# KiCad board LAUNCHXL-F280049C-KICAD.kicad_pcb (continued)
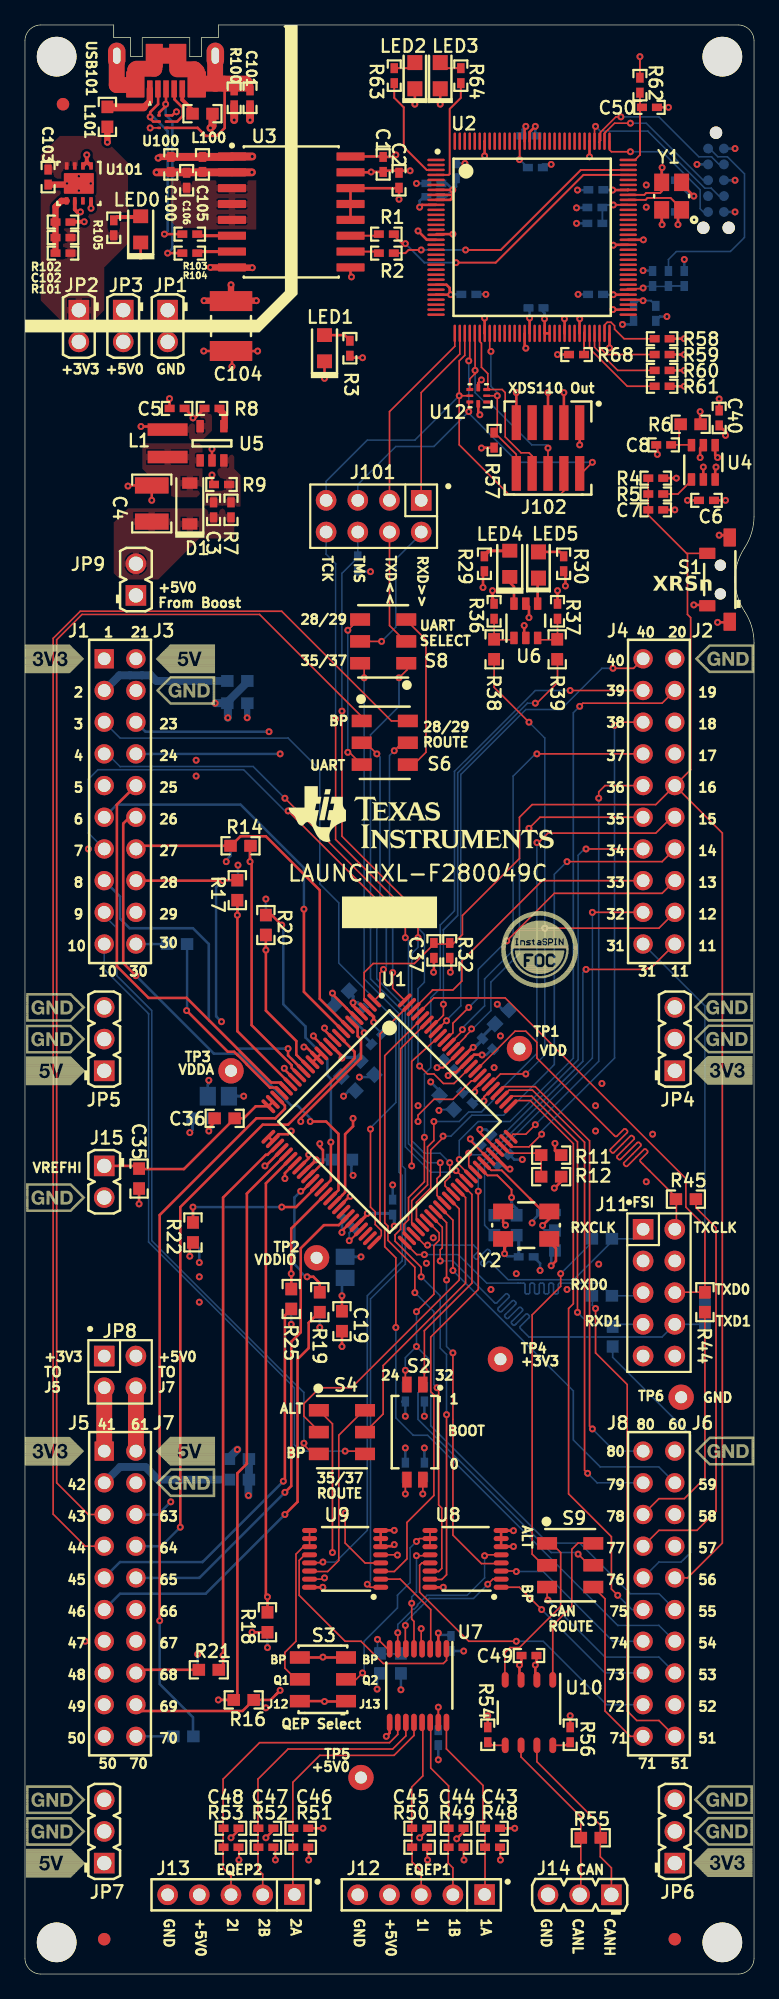
[diagram p0: board, top side]
## Routing (per net, layer and track width the routed paths; a pad name or vN(x,y) marks a point on that pad's centre or on a via; arc(x,y) is an arc through that point) (continued)
GPIO13: length 60.7
  Top Signal w0.127: v1(27.69,67.72) 27.69,61.47 28.07,61.09 28.07,60.07 28.55,59.59 28.55,59.18 U1.50
  Bottom Signal w0.127: v1(27.69,67.72) 27.69,67.82 29.72,69.85 29.72,76.45 25.15,81.03 25.15,85.85 23.62,87.38 23.62,96.52 21.08,99.06 7.62,99.06 J1.3
GPIO14: length 48.2
  Top Signal w0.127: U1.96 28.83,73.6 28.83,60.2 29.08,59.94 29.08,58.8 31.24,56.64 v1(31.24,54.61) ; v1(33.02,46.99) 33.15,46.86 33.15,37.59 33.4,37.34 33.4,32.51 33.15,32.26 32.51,32.26
  Bottom Signal w0.127: v1(31.24,54.61) 32.77,53.09 32.77,47.24 v1(33.02,46.99)
GPIO14_BP: length 24.7
  Top Signal w0.127: v1(39.37,26.67) 35.56,26.67 31.62,30.61 31.62,32.77 31.81,32.95 U8.13
  Bottom Signal w0.127: J6.32 46.61,21.59 41.53,26.67 v1(39.37,26.67)
GPIO14_Q2A: length 8.8
  Top Signal w0.127: v1(30.99,29.72) 30.99,28.45 31.17,28.27 U7.5 ; v1(31.37,33.53) 32.51,33.53
  Bottom Signal w0.127: v1(31.37,33.53) 31.37,30.61 30.99,30.23 v1(30.99,29.72)
GPIO15: length 48.4
  Top Signal w0.127: v1(31.75,55.88) 31.75,56.64 29.66,58.73 29.66,59.18 ; U1.95 30.1,74.16 30.1,59.69 29.66,59.25 29.66,59.18 ; v1(33.78,44.83) 33.78,32 33.4,31.62 32.51,31.62
  Bottom Signal w0.127: v1(31.75,55.88) 33.27,54.36 33.27,50.16 33.78,49.66 v1(33.78,44.83)
GPIO15_BP: length 14.2
  Top Signal w0.127: U8.1 39.61,31 v1(41.4,29.21)
  Bottom Signal w0.127: v1(41.4,29.21) 46.48,24.13 J6.33
GPIO15_Q2B: length 11.1
  Top Signal w0.127: 30.48,26.16 v1(30.48,27.94) ; v1(37.08,31.24) 37.49,31.65 U8.2
  Bottom Signal w0.127: v1(30.48,27.94) 30.48,28.19 31.28,28.99 31.29,28.99 31.71,29.42 31.71,29.43 32.38,30.1 35.94,30.1 v1(37.08,31.24)
GPIO16: length 48.8
  Top Signal w0.127: v1(32.77,68.33) 32.77,66.8 32.26,66.29 32.26,63.25 30.99,61.98 30.99,60.2 31.49,59.7 U1.54 31.5,59.68 ; v1(41.02,90.68) 41.1,90.68 41.12,90.65 41.91,91.44 50.55,91.44 51.82,92.71
  Bottom Signal w0.127: v1(32.77,68.33) 34.8,68.33 35.56,69.09 36.58,69.09 37.59,70.1 37.59,70.36 41.02,73.79 v1(41.02,90.68)
GPIO17: length 45.3
  Top Signal w0.127: J2.14 51.05,89.15 v1(43.43,89.15) ; v1(33.5,67.16) 33.5,67.08 33.53,67.06 32.51,66.04 32.51,62.99 31.37,61.85 31.37,60.51 U1.55
  Bottom Signal w0.127: v1(43.43,89.15) 42.42,88.14 42.42,72.9 38.35,68.83 35.81,68.83 34.14,67.16 v1(33.5,67.16)
GPIO18_BP: length 33.8
  Top Signal w0.127: v1(45.47,85.09) J2.32
  Bottom Signal w0.127: R28.1 36.83,60.01 36.83,64.77 45.47,73.41 v1(45.47,85.09)
GPIO18_X2: length 9
  Top Signal w0.152: U1.68 37.06,64.01 37.85,64.01 38.99,62.86 v1(38.99,62.23)
  Bottom Signal w0.254: v1(38.99,62.23) 38.99,61.72 39.4,61.31 R31.2 39.37,60.82 R28.2 39.36,60.82 39.37,60.83
GPIO22: length 87.1
  Top Signal w0.127: v1(31.5,68.33) 31.5,68.83 32.77,70.1 34.29,70.1 35.78,71.59 36.01,71.59 U1.83
  Middle Signal w0.127: v1(31.5,68.33) 31.5,56.39 26.16,51.05 26.16,30.35 23.24,27.43 23.24,23.37 16.51,16.64 5.72,16.64 4.32,18.03 4.32,24.89 6.1,26.67 J5.7
GPIO23: length 49.9
  Top Signal w0.127: U1.81 37.28,71.31 38.1,72.14 v1(40.13,72.14) ; v1(40.39,100.33) 37.59,103.12 R38.1 37.59,105.41 ; v1(41.66,83.82) 50.8,83.82 J2.12
  Bottom Signal w0.127: v1(40.13,72.14) 41.66,73.66 v1(41.66,83.82) 41.66,99.06 v1(40.39,100.33)
GPIO24: length 48.5
  Top Signal w0.127: U1.56 33.19,59.4 33.19,58.81 32.77,58.39 32.77,54.48 v1(31.37,53.09) ; 30.48,47.24 v1(30.48,48.39)
  Bottom Signal w0.127: v1(31.37,50.29) v1(31.37,53.09) ; v1(31.37,50.29) 32.51,49.15 32.51,43.94 41.91,34.54 44.45,34.54 48.51,30.48 50.8,30.48 J6.15 ; v1(31.37,50.29) 30.48,49.4 v1(30.48,48.39) R33.1
GPIO25_BP: length 30.8
  Bottom Signal w0.127: R72.2 54.48,77.6 J2.31
GPIO25_FSITXD1: length 38.5
  Top Signal w0.127: v1(33.27,57.15) 33.27,58.04 33.44,58.2 33.44,59.85 U1.57
  Bottom Signal w0.127: R72.1 54.39,52.07 J11.8 51.05,51.05 40.39,51.05 39.69,51.75 arc(39.66,51.83) 39.69,51.91 40.39,52.61 arc(40.43,52.69) 40.39,52.77 40.29,52.88 arc(40.21,52.91) 40.12,52.88 39.27,52.02 arc(39.19,51.99) 39.11,52.02 39,52.13 arc(38.96,52.21) 39,52.29 39.86,53.15 arc(39.89,53.23) 39.86,53.31 39.75,53.42 arc(39.67,53.45) 39.59,53.42 38.73,52.56 arc(38.65,52.53) 38.57,52.56 38.46,52.67 arc(38.43,52.75) 38.46,52.83 39.32,53.69 arc(39.35,53.77) 39.32,53.85 39.21,53.96 arc(39.13,53.99) 39.05,53.96 38.19,53.1 arc(38.11,53.07) 38.03,53.1 37.92,53.21 arc(37.89,53.29) 37.92,53.37 38.78,54.23 arc(38.81,54.31) 38.78,54.39 38.67,54.5 arc(38.59,54.53) 38.51,54.5 37.81,53.79 arc(37.73,53.76) 37.65,53.79 37.59,53.85 34.29,57.15 v1(33.27,57.15)
GPIO26: length 31.4
  Top Signal w0.127: v1(34.29,49.78) 34.29,35.18 36.58,32.89 38.23,32.89 ; U1.58 33.78,60.22 v1(33.78,55.63)
  Bottom Signal w0.127: v1(34.29,49.78) 33.78,50.29 v1(33.78,55.63)
GPIO26_BP: length 13.7
  Top Signal w0.127: v1(39.37,32.26) 39.33,32.3 U8.3
  Bottom Signal w0.127: J6.34 47.12,26.67 41.53,32.26 v1(39.37,32.26)
GPIO26_Q2I: length 13.6
  Top Signal w0.127: 29.97,26.16 29.87,26.26 v1(29.87,27.36) ; U8.5 36.9,33.6 v1(36.83,33.53)
  Bottom Signal w0.127: v1(36.83,33.53) 36.83,31.75 35.43,30.35 32.21,30.35 31.46,29.6 31.46,29.52 31.18,29.25 31.1,29.25 29.87,28.02 v1(29.87,27.36)
GPIO27: length 32.8
  Top Signal w0.127: U1.59 34.29,60.42 v1(34.29,56.39)
  Bottom Signal w0.127: 52.2,39.24 J6.19 50.8,40.64 46.1,40.64 43.94,42.8 43.94,46.74 v1(34.29,56.39)
GPIO28: length 22.1
  Top Signal w0.127: 27.94,77.98 28.45,78.49 28.45,80.24 v1(28.73,80.52) ; v1(28.19,97.79) 27.31,98.68 27.05,98.68
  Bottom Signal w0.127: v1(28.73,80.52) 28.96,80.75 28.96,85.34 28.45,85.85 28.45,97.54 v1(28.19,97.79)
GPIO28_BP: length 101.5
  Top Signal w0.127: S6.1 26.98,100.78 18.8,108.97 4.57,108.97 2.54,106.93 2.54,39.37 5.08,36.83 J5.3
GPIO28_SCIRX: length 12.9
  Top Signal w0.127: v1(25.87,107.7) 25.87,107.7 26.64,108.46 26.92,108.46 ; S6.3 25.86,98.04 25.86,97.92 v1(25.87,97.91)
  Bottom Signal w0.127: v1(25.87,107.7) 25.91,107.66 25.91,107.57 25.87,107.53 v1(25.87,97.91)
GPIO29: length 22
  Top Signal w0.127: 30.48,77.98 29.46,78.99 v1(29.46,80.26) ; 30.61,98.68 30.23,98.68 v1(29.59,98.04)
  Bottom Signal w0.127: v1(29.59,98.04) 29.21,97.66 29.21,85.6 29.46,85.34 v1(29.46,80.26)
GPIO29_BP: length 108.3
  Top Signal w0.127: S6.4 29.36,100.43 20.57,109.22 4.43,109.22 2.26,107.05 2.26,36.86 4.83,34.29 J5.4
GPIO29_SCITX: length 13.2
  Top Signal w0.127: S6.6 31.14,96.93 32.13,97.92 32.13,106.93 30.48,108.58
GPIO30: length 23.7
  Top Signal w0.127: 32.68,78.87 U1.98 31.14,77.36 ; 32.68,78.87 34.29,78.87 35.01,79.59 35.01,81.2 41.44,87.63 J2.33 ; 32.68,78.87 32.64,78.87
GPIO31: length 64.4
  Top Signal w0.127: v1(29.72,51.82) 29.72,57.4 28.83,58.29 28.83,59.7 28.45,60.09 28.45,75.34 U1.99
  Bottom Signal w0.127: v1(29.72,51.82) 29.72,44.58 31.12,43.18 32.26,43.18 47.5,27.94 50.8,27.94 J6.14
GPIO32: length 40.6
  Top Signal w0.127: v1(44.32,33.66) 45.21,32.77 ; U1.64 35.08,63.22 35.81,62.48 35.81,55.37 32,51.56 v1(32,48.39) 32,47.24
  Bottom Signal w0.127: v1(44.32,33.66) 44.2,33.78 42.16,33.78 31.5,44.45 31.5,46.57 R34.1 v1(32,48.39)
GPIO32_BP: length 14.2
  Top Signal w0.127: S9.6 46.48,30.07 46.48,21.08 48.51,19.05 J6.31
GPIO32_CANTX: length 13
  Top Signal w0.127: 45.47,34.54 44.32,34.54 43.81,34.04 43.81,29.46 42.29,27.94 U10.1 42.29,23.5
GPIO33_ALT: length 28.8
  Top Signal w0.127: S9.2 41.53,32.77 40.64,33.66 40.64,52.83 42.93,55.12 v1(42.93,56.13)
  Bottom Signal w0.127: 45.47,58.93 45.47,58.67 v1(42.93,56.13)
GPIO33_BP: length 13.7
  Top Signal w0.127: v1(41.91,29.97) 41.84,30.04 S9.3
  Bottom Signal w0.127: J6.13 50.8,25.4 46.48,25.4 v1(41.91,29.97)
GPIO33_CANRX: length 13.9
  Top Signal w0.127: 38.46,23.55 38.46,25.76 38.86,26.16 39.62,26.16 42.93,29.46 42.93,33.78 42.16,34.54 41.91,34.54
GPIO33_FSIRXCLK: length 27.1
  Top Signal w0.127: v1(32.26,58.42) 32.04,58.42 U1.53
  Bottom Signal w0.127: 35.81,58.42 35.94,58.42 ; 35.94,58.42 v1(32.26,58.42) 34.28,58.42 ; 35.94,58.42 36.3,58.06 arc(36.34,57.98) 36.3,57.9 35.99,57.59 arc(35.96,57.5) 35.99,57.42 36.1,57.32 arc(36.18,57.28) 36.26,57.32 37,58.05 arc(37.08,58.08) 37.16,58.05 37.27,57.94 arc(37.3,57.86) 37.27,57.78 36.53,57.05 arc(36.5,56.97) 36.53,56.88 36.64,56.78 arc(36.72,56.74) 36.8,56.78 37.11,57.09 arc(37.19,57.12) 37.27,57.09 37.33,57.03 38.71,55.65 43.96,55.65 46.99,58.67 ; R46.1 48.77,58.93 J11.1
GPIO34: length 101.1
  Top Signal w0.127: 42.93,105.41 42.67,105.16 42.67,103.5 41.02,101.85 v1(40.89,101.85) ; v1(33.53,77.72) 33.53,76.83 32.6,75.91 U1.94
  Middle Signal w0.127: J6.12 50.8,22.86 46.86,22.86 40.13,29.59 40.13,64.71 40.36,64.94 40.36,67.34 32.89,74.8 32.89,76.45 33.53,77.09 v1(33.53,77.72)
  Bottom Signal w0.127: v1(33.53,77.72) 33.53,83.69 34.67,84.84 34.67,96.27 40.26,101.85 v1(40.89,101.85)
GPIO35: length 23
  Top Signal w0.127: S4.5 28.7,44.89 28.7,48.77 35.31,55.37 35.31,62.23 34.67,62.86
GPIO35_ALT: length 15.6
  Top Signal w0.127: S4.4 27.15,45.18 25.15,43.18 25.15,33.15 24.26,32.26 22.86,32.26
GPIO35_BP: length 52.6
  Top Signal w0.127: 27.43,41.66 27.18,41.91 v1(25.65,41.91)
  Bottom Signal w0.127: v1(25.65,41.91) 22.1,41.91 21.59,42.42 21.59,46.99 9.91,58.67 9.91,76.96 6.35,80.52 J1.10
GPIO35_Q1A: length 18.7
  Top Signal w0.127: 22.73,33.66 22.48,33.66 21.97,33.15 21.97,30.35 25.65,26.67 26.92,26.67 28.7,24.89 33.53,24.89 33.78,25.15 33.78,25.91
GPIO35_SCIRX: length 77.8
  Top Signal w0.127: 22.81,32.97 23.83,32.97 v1(23.88,33.02) ; 22.75,32.89 U9.13 ; 26.8,105.03 27.18,104.65 v1(27.18,103.89)
  Bottom Signal w0.127: v1(23.88,33.02) 24.89,33.02 27.43,35.56 27.43,54.36 30.23,57.15 30.23,64.01 29.97,64.26 29.97,76.96 27.18,79.76 v1(27.18,103.89)
GPIO37: length 26.2
  Top Signal w0.127: 23.62,43.43 22.35,44.7 22.35,45.72 23.62,46.99 26.16,46.99 34.8,55.63 34.8,61.32 U1.61
GPIO37_ALT: length 15.5
  Top Signal w0.127: S4.1 24.64,44.1 v1(24.64,33.78) ; U9.15 23.9,31.65 v1(24,31.75)
  Middle Signal w0.127: v1(24.64,33.78) 24.64,32.26 24.13,31.75 v1(24,31.75)
GPIO37_BP: length 50.9
  Top Signal w0.127: 23.62,41.66 23.11,41.66 22.35,42.42 v1(22.35,42.54)
  Bottom Signal w0.127: v1(22.35,42.54) 22.35,46.61 21.87,47.1 21.84,47.1 10.16,58.78 10.16,77.22 7.37,80.01 7.37,83.82 6.35,84.84 J1.9
GPIO37_Q1B: length 8.1
  Top Signal w0.127: 32.51,26.16 32.51,29.21 30.07,31.65 U9.2
GPIO37_SCITX: length 78.7
  Top Signal w0.127: U9.1 27.67,31 v1(27.43,31.24) ; 30.61,105.16 30.61,104.52 v1(29.97,103.89)
  Bottom Signal w0.127: v1(29.97,103.89) 29.97,101.6 27.69,99.31 27.69,79.76 30.23,77.22 30.23,64.77 30.48,64.52 30.48,56.9 27.69,54.1 27.69,31.5 v1(27.43,31.24)
GPIO39: length 25.5
  Top Signal w0.127: U1.91 33.7,74.85 34.29,75.44 34.29,76.2 v1(35.56,77.47) ; v1(38.61,82.8) 42.42,86.61 51.05,86.61 J2.13
  Bottom Signal w0.127: v1(38.61,82.8) 36.32,80.52 36.32,78.23 v1(35.56,77.47)
GPIO40: length 47.8
  Top Signal w0.127: v1(20.83,94.23) v1(29.97,85.09) ; 31.62,72.88 v1(31.62,72.77) 32.26,72.14 32.77,72.14 33.53,71.37 34.38,71.37 U1.85
  Bottom Signal w0.127: v1(31.62,72.77) 31.5,72.9 31.5,78.97 32,79.48 32,83.31 30.23,85.09 v1(29.97,85.09) ; J1.4 6.6,97.79 7.62,96.77 18.29,96.77 v1(20.83,94.23)
GPIO56: length 60.8
  Top Signal w0.127: v1(28.19,85.09) 28.19,86.11 v1(21.08,93.22) ; U1.65 34.69,64.26 34.69,64.37 34.65,64.37 34.65,64.36 34.62,64.39 v1(34.54,64.39)
  Bottom Signal w0.127: v1(34.54,64.39) 34.42,64.26 32.51,64.26 30.48,66.29 30.48,77.47 28.19,79.76 v1(28.19,85.09) ; J1.7 5.08,91.44 5.08,95.76 5.84,96.52 17.53,96.52 20.83,93.22 v1(21.08,93.22)
GPIO57: length 51.7
  Top Signal w0.127: J2.19 51.05,101.85 44.7,101.85 v1(44.45,101.6) ; v1(34.8,65.28) 34.8,64.86 U1.66
  Bottom Signal w0.127: v1(34.8,65.28) 34.8,66.8 36.32,68.33 38.86,68.33 43.94,73.41 43.94,101.09 v1(44.45,101.6)
GPIO58: length 35.5
  Top Signal w0.127: v1(35.56,65.79) 35.56,64.8 U1.67 ; v1(44.96,90.17) J2.34
  Bottom Signal w0.127: v1(44.96,90.17) 44.83,90.17 44.32,89.66 44.32,73.28 36.7,65.66 35.69,65.66 v1(35.56,65.79)
GPIO59: length 48.3
  Top Signal w0.127: v1(25.65,36.94) 25.65,34.54 27.25,32.94 28.55,32.94 ; v1(30.99,64.77) 30.99,73.15 U1.92
  Middle Signal w0.127: v1(25.65,36.94) 25.52,37.08 24.64,37.85 24.64,50.55 30.99,56.9 v1(30.99,64.77)
GPIO59_BP: length 63.9
  Top Signal w0.127: v1(44.96,80.52) 49.78,80.52 49.91,80.64 50.04,80.52 J2.11 ; 28.57,32.26 29.59,32.26 30.61,33.27 30.61,36.19 32.77,38.35 32.77,46.42 32.51,46.68 32.51,51.05 36.32,54.86 v1(36.32,62.74)
  Bottom Signal w0.127: v1(44.96,80.52) 44.7,80.26 44.7,73.15 36.32,64.77 v1(36.32,62.74)
GPIO59_Q1I: length 10.3
  Top Signal w0.127: 31.75,26.16 v1(31.75,27.69) ; U9.5 29.9,33.6 29.97,33.53 ; 31.82,25.47 U7.4
  Middle Signal w0.127: v1(31.75,27.69) 31.75,30.23 29.84,32.13 29.84,33.4 29.97,33.53
  vias: v1(29.84,33.58)
ITCK: length 14
  Top Signal w0.127: v1(45.72,148.08) 45.64,148 U2.100
  Bottom Signal w0.127: 56.13,142.49 J10.4 55.63,142.49 55,143.12 54.99,143.13 54.48,143.13 49.91,147.7 46.1,147.7 v1(45.72,148.08)
ITDI: length 11.3
  Top Signal w0.127: v1(48.51,148.34) 47.24,148.34 46.72,147.81 46.71,147.81 46.52,147.62 46.52,147.62 46.44,147.53 U2.98
  Bottom Signal w0.127: 54.86,143.76 J10.8 54.36,143.76 49.78,148.34 v1(48.51,148.34)
ITDO: length 11.7
  Top Signal w0.127: U2.97 46.84,146.2 46.99,146.05 v1(48.51,146.05)
  Bottom Signal w0.127: v1(48.51,146.05) 51.05,146.05 54.1,143 54.1,141.48 54.36,141.22 J10.6 54.86,141.22
ITMS: length 12.8
  Top Signal w0.127: 45.97,146.81 46.12,146.96 46.12,147.62 46.31,147.81 46.31,147.81 47.35,148.84 v1(47.75,148.84)
  Bottom Signal w0.127: J10.2 55.63,145.03 55.02,145.64 54,145.64 50.8,148.84 v1(47.75,148.84)
NetC8_1: length 3.4
  Top Signal w0.127: 52.58,124.21 52.42,124.04 52.42,122.59 52.45,122.55 ; 52.45,122.55 53.47,122.55 ; 52.45,122.55 C8.1
NetC26_2: length 21.3
  Top Signal w0.203: 18.03,90.42 v1(18.03,89.15) 18.16,89.03 18.16,76.05 21.37,72.84 21.37,72.63 U1.18
  Bottom Signal w0.203: v1(18.03,89.15) 18.03,90.42
NetC27_2: length 47.9
  Top Signal w0.203: 16.76,21.97 17.02,22.22 17.02,40.13 17.78,40.89 17.78,62.55 U1.30 ; v1(15.49,21.97) 16.69,21.97 ; R16.1 16.73,22.01
  Bottom Signal w0.203: 16.76,21.97 R16.1 v1(15.49,21.97)
NetC28_2: length 17.8
  Top Signal w0.203: U1.20 17.02,75.57 v1(17.02,84.86) R17.1 17.02,86.11
  Bottom Signal w0.203: 17.02,86.11 R17.1 v1(17.02,84.86)
NetC29_2: length 38.5
  Top Signal w0.203: U1.31 19.3,63.37 19.3,30.35 v1(19.43,30.23) R18.1 19.43,28.96
  Bottom Signal w0.203: R18.1 v1(19.43,30.23)
NetC30_2: length 13.2
  Top Signal w0.203: U1.16 21.74,73.67 21.74,74.78 19.3,77.22 v1(19.3,82.07) R20.1 19.3,83.31
  Bottom Signal w0.203: v1(19.3,82.07) R20.1
NetC31_2: length 45.4
  Top Signal w0.203: 15.49,24.38 15.88,24.76 v1(15.88,25.53) 15.88,62.23 19.3,65.66 19.43,65.66 20.17,66.4 U1.28
  Bottom Signal w0.203: v1(15.88,25.53) 15.88,24.8 15.49,24.42 R21.1
NetC32_1: length 12.8
  Top Signal w0.203: U1.36 22.21,62.74 v1(22.1,62.74) ; 23.62,54.61 R19.2 23.62,55.37 23.11,55.88 v1(22.61,55.88)
  Bottom Signal w0.203: v1(22.1,62.74) 21.59,62.23 21.59,56.9 22.1,56.39 22.1,56.26 22.48,55.88 v1(22.61,55.88) 23.11,55.88 23.62,55.37 R19.2
NetC33_1: length 13.5
  Top Signal w0.203: 13.72,60.2 13.72,60.24 13.46,60.49 v1(13.46,61.47) ; 23.5,63.25 21.72,61.47 v1(20.57,61.47)
  Bottom Signal w0.203: v1(20.57,61.47) v1(13.46,61.47) 13.46,60.49 13.72,60.24
NetC34_1: length 10
  Top Signal w0.203: U1.39 21.34,59.74 v1(21.34,56.13) R25.2 21.34,54.86
  Bottom Signal w0.203: R25.2 v1(21.34,56.13)
NetC35_1: length 15.8
  Top Signal w0.203: J15.1 8.89,64.77 9.14,64.52 12.74,64.52 C36.1 17.53,68.58 18.49,69.55 U1.25 ; 19.56,69.6 19.86,69.9 U1.24
NetC38_1: length 4.3
  Top Signal w0.254: Y2.1 38.7,58.54 38.43,58.27 v1(38.43,57.73)
  Bottom Signal w0.203: 39.62,57.53 38.63,57.53 v1(38.43,57.73)
  Bottom Signal w0.254: 39.56,57.73 39.56,59.06 R31.1
NetC50_1: length 27.7
  Top Signal w0.127: 49.28,145.8 49.28,149.61 ; 49.28,145.8 49.28,149.61 ; 49.28,145.8 49.28,149.61 ; 49.28,145.8 49.28,149.61 ; 49.28,145.8 48.88,145.4 ; 49.28,149.61 R62.2 ; 49.28,149.61 R62.2 ; 49.28,149.61 49.28,148.62 ; 49.28,149.61 49.28,148.62 ; 49.28,149.61 R62.2 ; 49.28,149.61 R62.2 ; 48.26,145.4 48.88,145.4 ; 48.26,145.4 48.88,145.4 ; 48.26,145.4 48.88,145.4 ; 48.26,145.4 48.88,145.4 ; 48.26,145.4 48.88,145.4 ; R62.2 49.28,148.62
NetC59_1: length 6
  Top Signal w0.152: v1(39.62,145.41) 39.64,145.43 U2.115 ; U2.87 47.3,141.79 47.29,141.78 v1(47.14,141.78)
  Bottom Signal w0.152: v1(47.14,141.78) 46.46,141.78 46.25,141.58 ; 46.27,140.15 C60.1 46.27,141.54 46.3,141.58 ; C61.1 39.66,145.41 v1(39.62,145.41)
NetC62_1: length 5.8
  Top Signal w0.152: U2.89 49.63,142.59 49.78,142.75 50.9,142.75 51.03,142.88 51,142.9 51,143.59
  Top Signal w0.203: Y1.3 51.02,144.74 v1(51.05,144.78)
  Bottom Signal w0.203: v1(51.05,144.78) 51.05,143.86 C62.1
NetC63_1: length 7.2
  Top Signal w0.152: 52.65,141.38 52.65,141.43 51.73,142.35 49.89,142.35 49.73,142.19 U2.88
  Top Signal w0.203: v1(52.32,140.21) 52.32,141.1 Y1.1
  Bottom Signal w0.203: v1(52.32,140.21) 52.32,140.79 52.16,140.95 C63.1
NetC66_1: length 3.5
  Top Signal w0.152: v1(49.53,134.11) 49.45,134.19 U2.68
  Bottom Signal w0.152: C66.1 50.55,133.73 50.16,134.11 v1(49.53,134.11) 49.15,134.11 48.77,133.73 48.77,133.6
NetC101_1: length 28
  Top Signal w0.203: U100.1 13.84,147.96 14.48,147.32 15.37,147.32 16,147.95 16,151.51
  Top Signal w1.27: 15.24,151.51 17.66,151.51 ; 15.24,151.51 13.77,151.51 ; 15.24,151.51 15.24,153.73 ; 12.24,152.7 USB101.8 USB101.9 10.37,152.7 8.94,152.7 ; USB101.6 13.77,151.51 ; 13.77,151.51 13.7,151.51 ; 13.77,151.51 13.77,152.48 13.59,152.65 12.19,152.65 ; 8.89,152.65 8.84,152.6 USB101.11 ; 8.79,151.4 7.35,151.4 USB101.10
NetC102_2: length 4.8
  Top Signal w0.508: 2.44,139.14 2.45,139.13 R101.1 ; 2.45,139.14 C102.2 R102.2 2.45,141.64 2.92,142.11 U101.5
NetJ5_1: length 5.1
  Top Signal w1.27: J5.1 JP8.3
NetJ5_21: length 5.1
  Top Signal w1.27: J5.21 JP8.4
NetJ10_10: length 16.5
  Bottom Signal w0.127: R66.1 51.56,137.41 52.2,138.05 56.51,138.05 57.66,139.19 57.66,144.27 56.29,145.64 55.52,145.64 54.86,146.3
NetJ14_1: length 14.5
  Top Signal w0.127: J14.1 46.99,8.51 46.1,9.4 46.1,11.94 41.02,17.02 U10.7
NetJ14_2: length 14
  Top Signal w0.127: J14.2 44.54,6.44 R55.1 44.54,12.61 39.75,17.4 U10.6
NetL100_1: length 2.3
  Top Signal w0.305: USB101.5 12.6,150.21 13.42,149.39 L100.1
NetL101_1: length 4.6
  Top Signal w0.508: USB101.1 10,150.09 9.51,149.61
  Top Signal w0.635: 6.64,149.61 9.51,149.61
NetLED0_2: length 4.3
  Top Signal w0.203: 7.28,140.75 9.18,140.75 ; 7.28,140.75 7.11,140.59 ; 7.28,140.75 7.4,140.88 LED0.2 ; 9.27,140.72 9.27,140.84
NetLED1_2: length 2.2
  Top Signal w0.203: 26.03,130.94 25.62,131.35 LED1.2
NetLED2_1: length 1.8
  Top Signal w0.152: R63.1 30.83,152.75 31.24,153.16
NetLED3_1: length 1.8
  Top Signal w0.152: 33.27,153.16 33.69,152.75 R64.1
NetLED4_1: length 2.4
  Top Signal w0.127: 39.12,109.73 39.12,109.83
  Top Signal w0.203: U6.6 39.18,111.19 38.86,111.51 38.86,112.01
NetLED4_2: length 4.4
  Top Signal w0.203: LED4.2 37.11,114.08 36.83,113.79 ; 38.86,114.05 37.23,114.05 R29.1
NetLED5_1: length 2.2
  Top Signal w0.203: LED5.1 42.87,113.98 43.18,113.66
NetLED5_2: length 2.1
  Top Signal w0.203: 41.15,111.89 41.08,111.82 U6.4
NetR1_1: length 3.1
  Top Signal w0.152: U3.11 28.32,139.32 ; 28.32,139.32 28.45,139.45 ; 28.32,139.32 28.45,139.45 ; 28.32,139.32 28.45,139.45 ; 28.32,139.32 28.45,139.45 ; 28.32,139.32 28.45,139.45
NetR2_1: length 3.1
  Top Signal w0.152: 28.32,138.05 28.45,137.92 ; 28.32,138.05 U3.10 ; 28.32,138.05 28.45,137.92 ; 28.32,138.05 28.45,137.92 ; 28.32,138.05 28.45,137.92 ; 28.32,138.05 28.45,137.92
NetR5_1: length 2.9
  Top Signal w0.127: 51.05,118.62 R5.1 52.32,118.62 53.41,119.7 U4.1
NetR8_1: length 1.7
  Top Signal w0.508: 16,123.95 16,124.97 15.59,125.38 R8.1
NetR13_2: length 57.8
  Top Signal w0.203: 20.07,70.36 20.83,69.6 20.83,69.34 20.07,68.58 18.54,68.58 10.79,60.83 v1(10.79,28.32)
  Bottom Signal w0.203: 13.46,19.05 13.46,20.57 10.79,23.24 v1(10.79,28.32)
NetR15_2: length 15.6
  Top Signal w0.203: 20.48,70.71 20.45,70.71 20.12,71.04 19.68,71.04 19.66,71.06 19.64,71.06 19.63,71.05 17.78,72.9 17.78,72.92 17.04,73.66 17.02,73.66 16.76,73.91 16.26,73.91 v1(12.95,77.22)
  Bottom Signal w0.203: v1(12.95,77.22) 12.99,77.25 R15.2
NetR23_1: length 7
  Top Signal w0.203: v1(22.35,74.3) 22.53,74.3 U1.14 ; U1.15 23.04,73.08 23.75,73.79
  Bottom Signal w0.203: R26.2 16.22,101.94 ; 16.17,101.81 16.26,101.73
  Bottom Signal w0.635: 16.22,101.94 17.91,103.63 ; v1(16.26,100.69) 16.26,101.73 ; v1(15.24,101.85) R26.2
NetR24_1: length 4.5
  Top Signal w0.203: v1(20.83,63.75) 20.83,64.19 U1.32
  Bottom Signal w0.254: 17.91,39.62 17.94,39.66
  Bottom Signal w0.635: 17.94,39.66 R27.2 ; v1(17.91,38.35) 17.91,39.62
NetR36_1: length 3.2
  Top Signal w0.127: 39.12,106.93 37.59,106.93 R38.2 R36.1
NetR37_1: length 3.5
  Top Signal w0.127: 42.67,106.93 R37.1 ; 41.15,106.93 42.93,106.93
NetR40_2: length 2.7
  Top Signal w0.127: 30.48,39.62 30.73,39.37 30.48,39.12 v1(30.48,38.48)
  Bottom Signal w0.127: v1(30.48,38.48) R40.2
NetR41_2: length 2.4
  Top Signal w0.127: v1(31.88,38.48) 31.88,39.5 32,39.62
  Bottom Signal w0.127: v1(31.88,38.48) 31.88,39.5 32,39.62
NetR42_2: length 3.1
  Top Signal w0.127: 29.21,25.91 28.3,26.82 v1(28.24,26.82)
  Bottom Signal w0.127: 28.7,25.65 29.72,25.65 ; 28.24,26.11 v1(28.24,26.82)
NetR54_1: length 3.5
  Top Signal w0.127: 37.08,18.67 37.42,18.33 ; 37.08,18.67 37.42,18.33 ; 37.08,18.67 37.42,18.33 ; 37.08,18.67 37.42,18.33 ; 37.08,18.67 37.42,18.33 ; 37.42,18.33 U10.5
NetR56_2: length 3.5
  Top Signal w0.127: 43.35,18.33 43.69,18.67 ; 43.35,18.33 43.69,18.67 ; 43.35,18.33 43.69,18.67 ; 43.35,18.33 43.69,18.67 ; 43.35,18.33 U10.8 ; 43.35,18.33 43.69,18.67
NetR63_2: length 8.7
  Top Signal w0.152: 29.72,151.38 29.59,151.26 29.59,150.37 30.35,149.61 30.35,146.43 32.19,144.59 U2.3
NetR64_2: length 8.9
  Top Signal w0.152: U2.4 33.96,144.19 34.04,144.27 34.04,149.48 34.93,150.37 34.93,151.51 34.8,151.64
NetR65_1: length 4.5
  Top Signal w0.127: 48.26,135.08 49.48,135.08 v1(49.53,135.13)
  Bottom Signal w0.127: v1(49.53,135.13) 49.66,135.25 50.29,135.25 ; 51.56,135.25 50.42,135.25 50.37,135.21
  Bottom Signal w0.152: 51.65,135.29 R67.2
NetR68_2: length 1.8
  Top Signal w0.152: R68.2 44.8,131.54
NetR103_2: length 2.7
  Top Signal w0.254: 13.94,139.32 U3.6
NetR104_2: length 2.7
  Top Signal w0.254: 13.94,138.05 U3.7
PGA135_GND: length 10.6
  Bottom Signal w0.635: R23.2 10.54,103.63 10.08,104.09 9.4,104.09 7.57,104.09 J1.2
PGA246_GND: length 11
  Bottom Signal w0.254: R24.2 16.38,39.62
  Bottom Signal w0.635: R24.2 10.67,39.62 9.65,40.64 7.62,40.64 J5.2
QEP1_SEL: length 13.6
  Top Signal w0.127: U9.9 U9.10 U9.11 22.8,34.24 22.31,34.24 21.72,33.66 21.72,26.67 20.83,25.78 20.83,24.51 21.84,23.5
QEP2_SEL: length 16.5
  Top Signal w0.127: v1(27.05,24.13) 26.42,23.5 25.65,23.5 ; v1(31.37,34.67) 31.6,34.9 U8.10 ; 32.51,34.92 32.46,34.87 U8.11 ; 32.46,35 U8.9
  Bottom Signal w0.127: v1(31.37,34.67) 30.86,34.16 30.86,31.37 29.84,30.35 29.84,29.34 27.18,26.67 27.18,24.13 v1(27.05,24.13)
RXD_FROM_XDS: length 11.7
  Top Signal w0.127: S8.5 v1(28.57,106.81)
  Bottom Signal w0.127: v1(28.57,106.81) 29.72,107.95 29.72,113.41 31.75,115.44
TCK: length 58.5
  Top Signal w0.127: U1.60 33.02,62.39 33.02,63.75 33.27,64.01 v1(33.27,65.02) ; v1(30.48,83.06) 30.48,85.34 24.89,90.93 v1(24.89,100.58)
  Bottom Signal w0.127: J101.8 24.13,113.79 24.89,113.03 v1(24.89,100.58) ; v1(30.48,83.06) 30.73,82.8 30.73,66.55 32.26,65.02 v1(33.27,65.02)
TMS: length 58.6
  Top Signal w0.127: v1(34.04,65.02) 34.04,63.88 33.66,63.5 ; U1.62 33.66,63.17 33.66,63.47 ; 25.4,101.09 25.4,91.19 31.5,85.09 v1(31.5,83.06)
  Bottom Signal w0.127: v1(25.4,101.22) 25.4,112.27 26.67,113.54 R10.1 J101.6 ; v1(34.04,65.02) 33.27,65.79 32,65.79 30.99,66.8 30.99,81.79 31.5,82.3 v1(31.5,83.06)
TXD_TO_XDS: length 9.5
  Top Signal w0.127: 30.61,106.68 29.21,108.08 J101.4
USB_DM: length 15.1
  Top Signal w0.203: 10.67,150.88 10.67,149.86 10.03,149.22 v1(10.03,148.84) 10.03,148.72 10.29,148.46 U100.5 ; v1(11.18,139.45) 12.57,139.45 ; 10.65,150.88 USB101.2
  Bottom Signal w0.203: v1(11.18,139.45) 11.43,139.7 11.43,147.7 10.29,148.84 v1(10.03,148.84)
USB_DP: length 16
  Top Signal w0.203: U100.4 10.75,149.18 11.3,149.73 USB101.3 ; v1(11.43,137.92) R104.1 12.7,137.92
  Top Signal w0.305: 11.27,151.05 USB101.3
  Bottom Signal w0.203: v1(11.27,149.86) 11.27,149 11.81,148.46 11.81,138.3 v1(11.43,137.92)
USB_GND: length 26.7
  Top Signal w0.203: v1(9.27,137.67) LED0.1 ; 12.04,149.35 12.04,149.38 ; U100.3 11.8,148.96 12.06,149.22 12.06,149.35
  Top Signal w0.305: U101.6 3.99,141.42 4.19,141.22 v1(4.44,141.22) ; 3.65,140.46 3.67,140.44 v1(4.75,140.44)
  Top Signal w0.508: v1(18.54,134.11) 16.54,134.11 C104.2 ; v1(18.21,136.75) 16.61,136.75 U3.8 v1(14.86,136.78) ; 2.03,143.42 4.23,143.42 ; C104.2 v1(16.51,135.38) ; C104.2 16.48,134.11 v1(14.35,134.11)
  Top Signal w0.635: v1(10.54,144.4) U3.2 v1(18.19,144.4) ; v1(14.86,147.95) 15.02,148.12 L100.2 ; v1(16.76,148.59) R100.1 ; v1(18.03,148.59) C101.2
  vias: v1(12.14,149.25) v2(3.37,143.51) v2(4.32,144.08) v2(4.32,142.94) v2(5.27,143.51)
USB_ID: length 4
  Top Signal w0.203: 11.95,150.99 11.99,150.96 11.99,150.24 12.65,149.58 12.65,148.92 12.19,148.46 U100.2 ; 11.95,150.99 11.94,151 ; 11.95,150.99 USB101.4
USB_VBUS: length 11.7
  Top Signal w0.127: v1(10.03,147.95) 10.16,147.95 10.17,147.96 U100.6
  Top Signal w0.254: L101.2 6.64,148.08
  Top Signal w0.305: 4.95,145.25 U101.1 ; 4.95,145.25 4.95,145.22 U101.2 ; 4.95,145.25 v1(4.95,145.8) ; v1(5.29,141.52) U101.8
  Top Signal w0.508: v1(10.67,145.54) 10.74,145.54 10.83,145.63 C100.1 ; v1(6.6,146.81) L101.2
  Top Signal w0.635: v1(18.21,145.67) U3.1 16.55,145.63 C105.2 C100.1
VREGENZ: length 5.2
  Top Signal w0.127: 41.36,65.57 R11.1 ; 41.36,65.57 41.36,63.94 41.35,63.93 ; 41.36,65.57 41.15,65.79 38.82,65.79 U1.73
X1: length 11.1
  Top Signal w0.152: 40.47,62.15 38.2,64.42 37.36,64.42 U1.69
  Top Signal w0.203: 41.93,61.12 41.5,61.12 40.47,62.15 ; v1(41.48,59.99) 42.01,60.53 Y2.3
  Bottom Signal w0: 41.46,59.94 41.51,59.99
  Bottom Signal w0.203: C39.1 42.49,61.03 41.4,59.94 41.46,59.94 ; v1(41.48,59.99) 41.48,59.79 41.68,59.59 R35.1
XDS_DM: length 22.9
  Top Signal w0.152: 29.46,139.45 29.51,139.4 29.46,139.45 ; 29.46,139.45 30.23,138.68 v1(30.48,138.68) ; v1(34.54,137.16) 37.72,137.16 44.75,144.19 U2.93
  Bottom Signal w0.152: v1(34.54,137.16) 32,137.16 v1(30.48,138.68)
XDS_DP: length 21.6
  Top Signal w0.152: U2.94 44.54,144.59 38.13,138.18 v1(35.31,138.18) ; v1(31.75,138.18) 30.73,138.18 30.48,137.92 R2.2 29.46,137.92
  Bottom Signal w0.152: v1(31.75,138.18) v1(35.31,138.18)
XDS_RESET_OUT: length 13.1
  Top Signal w0.127: 39.37,120.4 39.37,120.65 ; 39.37,120.65 39.37,121.79 37.59,123.57 37.85,123.82 v1(37.85,126.49) U12.2 ; 39.37,120.65 39.34,120.61 ; U2.40 37.24,130.15 v1(37.34,130.05)
  Bottom Signal w0.127: v1(37.34,130.05) 37.34,127.25 37.85,126.75 v1(37.85,126.49)
XDS_RXD: length 15.5
  Top Signal w0.127: J101.3 29.21,125.22 34.44,130.45 U2.33
XDS_TCK_SWDCLK: length 36.7
  Top Signal w0.127: 43.18,120.27 J102.4 43.18,118.87 42.93,118.62 38.73,118.62 34.8,122.55 v1(34.8,126.49) ; v1(34.8,126.49) 34.8,129.29 35.24,129.73 U2.35 ; v1(34.8,126.49) U12.6 35.81,126.49
  Bottom Signal w0.127: J101.7 24.13,119.63 27.43,122.94 31.24,122.94 v1(34.8,126.49)
XDS_TDI: length 14.2
  Top Signal w0.127: 40.64,120.14 J102.8 40.64,121.67 40.39,121.92 39.75,121.92 38.48,123.19 38.48,126.75 38.24,126.99 U12.3 37.08,127.08 37.08,128.27 36.58,128.78 36.58,130.71 36.48,130.81 36.48,131.42
XDS_TDO_SWO: length 16.6
  Top Signal w0.127: 36.07,128.27 35.65,127.85 U12.5 ; 36.07,128.27 36.07,131.57 ; 36.07,128.27 v1(36.07,128.52) ; 41.91,120.27 v1(41.91,122.3)
  Bottom Signal w0.127: v1(36.07,128.52) 36.07,126.75 36.86,125.96 37.21,125.96 40.61,122.55 41.78,122.55 41.91,122.43 v1(41.91,122.3)
XDS_TMS_SWDIO: length 32.8
  Top Signal w0.127: v1(35.56,129.29) 35.64,129.37 U2.36 ; 44.45,120.14 v1(45.47,121.16) ; 35.65,125.98 U12.7 ; v1(35.56,125.22) 35.56,125.98
  Bottom Signal w0.127: v1(35.56,125.22) 35.56,125.09 39.5,121.16 v1(45.47,121.16) ; v1(35.56,125.22) 32.77,122.43 29.72,122.43 26.67,119.38 J101.5 ; v1(35.56,125.22) v1(35.56,129.29)
XDS_TXD: length 14.7
  Top Signal w0.127: U2.34 34.84,129.84 31.75,126.75 J101.1
XRSn: length 131.8
  Top Signal w0.127: J6.16 53.09,31.75 55.88,34.54 55.88,91.44 J2.16 ; C7.1 49.95,116.93 53.02,113.86 S1.4 ; J2.16 50.55,93.73 40.64,93.73 39.62,92.71 39.62,89.41 35.05,84.84 35.05,83.31 34.29,82.55 32.77,82.55 31.2,80.99 27.9,80.99 27.18,80.26 27.18,78.14 U1.2 ; J2.16 53.34,96.52 53.34,108.71 53.09,108.97 53.09,113.79 ; 49.95,118.71 R4.1 ; 49.95,117.51 R5.2

## Copper pours and planes (outline as drawn; the poured copper is in the pictures)
+3V3 on Top Signal: 12.19,125.98 12.19,125.22 11.68,124.71 9.65,124.71 9.65,124.46 9.4,124.21 9.4,122.94 14.22,122.94 14.99,123.7 14.99,125.98
+3V3 on PWR: 58.42,156.21 21.97,156.21 21.97,134.49 18.92,131.45 0,131.44 0,2.79 -0.25,2.54 58.42,2.54
+5V0 on Bottom Signal: 21.97,156.21 21.97,134.49 18.92,131.44 0,131.45 0,0 39.37,0 39.37,21.59 37.85,22.86 12.7,22.86 10.16,25.4 10.16,126.75 11.94,128.52 20.32,128.52 25.4,133.6 25.4,149.86 27.94,152.4 50.8,152.4 52.07,153.67 52.07,156.21
GND on GND: 21.97,156.21 58.42,156.21 58.42,0 0,0 0,131.44 18.92,131.44 21.97,134.49
GND on GND2: 21.97,156.46 21.97,134.49 18.92,131.44 -0.51,131.44 -0.51,0 58.93,0 58.93,156.46
VDD on PWR: 39.5,65.66 39.5,64.52 38.86,63.88 37.72,63.88 32.26,58.42 29.46,58.42 28.23,59.48 28.19,59.51 28.19,60.45 29.72,61.98 29.72,62.74 32,65.02 35.56,65.02 37.34,66.8 37.34,70.36 30.23,77.47 28.96,77.47 27.43,75.95 25.15,78.23 25.15,78.74 26.42,80.01 34.04,80.01 40.13,73.91 40.13,66.29
VDDA on PWR: 24.83,78.4 24.75,78.49 22.08,78.51 15.75,72.39 15.75,67.82 24.76,58.8 26.92,60.96 26.92,68.33 28.7,70.1 28.7,73.66 27.43,74.93 27.43,75.69 26.67,76.71
VDDIO on PWR: 22.1,56.64 22.61,56.13 27.18,56.13 28.7,57.66 28.7,60.96 29.97,61.98 29.97,62.74 32,64.77 35.56,64.77 37.59,66.8 37.59,70.36 30.23,77.72 28.96,77.72 27.18,75.95 27.18,74.68 28.19,73.66 28.19,69.85 27.94,69.85 26.67,68.58 26.67,61.21 24.13,58.67 22.35,58.67 22.1,58.42
NetC3_1 on Top Signal: 8.25,117.47 16.76,117.47 16.76,115.06 13.97,115.06 10.67,111.76 7.62,111.76 7.11,112.27 7.11,116.33
NetC3_2 on Top Signal: 17.27,120.14 16.76,120.65 16.76,121.67 16.51,121.92 15.37,121.92 15.37,119.51 14.22,118.65 14.22,117.6 17.27,117.6
NetC59_1 on PWR: 46.74,142.62 41.78,147.57 39.37,147.57 38.35,146.56 38.35,145.29 43.69,139.95 47.75,139.95 48.51,140.72 48.51,142.11 48.01,142.62
NetC106_2 on Top Signal: 18.54,143.76 18.54,139.83 12.32,139.83 11.68,140.46 11.68,143.76
NetD1_2 on Top Signal: 9.4,122.68 13.97,122.68 14.22,122.43 14.22,118.62 13.97,118.36 11.68,118.36 9.4,120.65
NetR23_1 on GND: 14.22,83.82 15.24,82.8 15.24,76.96 21.84,70.36 24.64,73.15 24.64,73.66 20.57,77.72 20.57,91.69 19.3,92.96 19.3,103.89 18.8,104.39 14.73,104.39 14.22,103.89 14.22,92.96 12.7,91.44 8.13,91.44 7.62,90.93 7.62,84.58 8.38,83.82
NetR24_1 on GND: 14.73,28.45 14.22,27.94 8.13,27.94 7.62,27.43 7.62,21 8.2,20.32 17.78,20.32 20.32,22.86 20.32,62.23 22.86,64.77 22.86,65.02 20.83,67.06 19.81,67.06 14.73,61.98
USB_GND on GND: 0,132.72 18.41,132.71 20.7,135 20.7,156.21 0,156.21
USB_VBUS on PWR: 0,156.21 20.7,156.21 20.7,135 18.41,132.72 0,132.72
USB_VCC on Top Signal: 5.59,132.59 6.35,133.35 6.35,136.78 8.25,138.68 8.25,145.16 6.1,147.32 2.79,147.32 1.27,145.8 1.27,134.11 2.79,132.59

## Text on the board
Bottom Signal: ${LAYER}
M13 Component Bodies Top: ${LAYER}
Bottom Solder: ${LAYER}
Bottom Paste: ${LAYER}
Bottom Overlay: AB4/G4O | AA4/G2O | AA8/G6O | AB2/G1I | AC0/G3I | AA9/G5I | AC3/G4I | AC5/G6I | AA3/G2I | 1 | 10 | 50 | 41 | 21 | 61 | 70 | 30 | AC1 | AA5 | AB0 | AC2 | AB1 | AA6 | AB6 | AC14 | AA1/DACB | AA0/DACA | P10 | P00 | 31 | 80 | 71 | 40 | 11 | 51 | 20 | 60 | NC | P57 | P16 | P17 | P39 | P23 | P59 | P27 | P24 | P31 | P33 | P34 | P12 | XRSn | PGAGND | P28 | P29 | P13 | P40 | AB3 | P56 | AC4 | P37 | P35 | P22 | P06 | P11 | P08 | P09 | P04 | P05 | P58 | P30 | P18 | P25 | P01 | P07 | P02 | P03 | P26 | P15 | P14 | P32 | J3 | J7 | J4 | J8 | ${LAYER} | www.ti.com/launchpad | LAUNCHXL-F280049C / Development Kit | '.PRJ_Number'.PCB_Rev
M10 Fab Notes: OUTER XX MIL VIAS REQUIRE 50 OHM SINGLE-ENDED IMPEDANCE | MATERIAL: | DRILLING: | BOARD FINISH: | SURFACE FINISH: | ARRAY/PANEL: | CERTIFICATION: | ADDITIONAL REQUIREMENTS: | ALL BOARDS MUST MEET OR EXCEED UL94-V0 REQUIREMENTS. | PCB MUST BEAR THE UL94V-0 UL REGISTERED MATERIAL ID NUMBER | PTH COPPER THICKNESS: | MINIMUM ANNULAR RING | REGISTRATION TOLERANCES: | HOLE SIZE TOLERANCE (UNLESS OTHERWISE SPECIFIED): | THICKNESS: | TOLERANCE: | BOW & TWIST: | REFERENCE: | MICROSECTION: | BARE BOARD ELEC. TEST: | SILKSCREEN: | SILKSCREEN COLOR: | SOLDER RESIST COLOR: | X | XX MIL VIAS REQUIRE CONDUCTIVE FILL AND PLANARIZE | PER | IMM. TIN/SILVER OR EQUIV | MIN. TRACK WIDTH: | MIN. CLEARANCE: | MIN. VIA PAD SIZE: | FR-408 | ANSI IPC-A-600F CLASS -> | IPC-D-275 CLASS 2 LEVEL C | MATERIALS AND WORKMANSHIP FOR ALL PCBS | TO MEET OR EXCEED THE REQUIREMENTS OF: | 62 MIL (1.6mm) +/-10% | AS SHOWN | YES | FR-4 High Tg | DESIGN INFORMATION | IMMERSION GOLD (ENIG) | N.C. ROUTE | CUT AND TRIM PER M1 BOARD OUTLINE | 0.05mm (2MIL) | OTHER +/- | ANSI IPC-6012 TYPE 3 CLASS 2 | TOP | WHITE | METAL | RoHS | 20-30 um | GREEN | MATTE | NONE | 0.2 | 24 | 5 | +/- | MIL | mm | BOTTOM | OTHER | NC_DRILL FILES | EXTERNAL | REQUIRED | V. SCORE | 1 | SEMI-GLOSS | MIL, HOLES | 2 | PER ORDER | ENEPIG | 3 | ${LAYER} | 4 | 397 | 6 | 32 | 80 | 25 | 558 Total | 35.43mil (0.900mm) | 39.00mil (0.991mm) | 125.00mil (3.175mm) | 7.87mil (0.200mm) | 10.00mil (0.254mm) | 37.99mil (0.965mm) | 40.00mil (1.016mm) | 40.16mil (1.020mm) | 45.28mil (1.150mm) | 23.62mil (0.600mm) | = Routed Path Length + Tool Size = Slot length as defined in the PCB layout | = Calculated from tool start centre position to tool end centre position. | NPTH | PTH | Round | Slot | Top Signal - Bottom Signal | +/-5.00mil | Slot definitions : | Routed Path Length | Hole Length | Symbol | Quantity | Finished Hole Size | Plated | Hole Type | Drill Layer Pair | Hole Tolerance | IPC-A600 | RED | LAYER 2 & 3 (INNER LAYERS) XX MIL WIDE, XX MIL SPACE / TRACES REQUIRE 100 OHM DIFFERENTIAL IMPEDANCE | XX MIL VIAS REQUIRE NON-CONDUCTIVE FILL AND PLANARIZE
User.Eco1: ${LAYER}
M11 Gerber Information: LAYER NAME = | PLOT NAME = | ${PLOT_FILE_NAME} | BOARD #: | TID #: | GENERATED    : | ${CURRENT_DATE} | REV: | ${PRINT_TIME} | SVN REV: | TEXAS INSTRUMENTS | ALL ARTWORK VIEWED FROM TOP SIDE | ${LAYER} | ${PRJ_NUMBER} | ${TID} | ${PCB_REV} | ${VERSIONCONTROL_REVNUMBER}
Top Signal: ${LAYER}
M12 Stackup: ${LAYER} | Layer | 1 | 2 | 3 | 4 | 5 | 6 | 7 | 8 | 9 | 10 | 11 | 12 | 13 | 14 | 15 | Name | Top Overlay | Top Solder | Top Signal | Dielectric 1 | GND | Dielectric 2 | Middle Signal | Dielectric 3 | PWR | Dielectric 4 | GND2 | Dielectric 5 | Bottom Signal | Bottom Solder | Bottom Overlay | Material | Solder Resist | Copper | FR-4 | Thickness | 0.40mil | 1.40mil | 6.25mil | 16.10mil | 8.54mil | Constant | 3.5 | 4.2 | Board Layer Stack | Use Standard 6 Layer Stackup
Top Solder: ${LAYER}
Top Paste: ${LAYER}
Top Overlay: J12 | BP | Q1 | J13 | Q2 | VREFHI | 10 | 42 | 43 | 44 | 45 | 46 | 47 | 48 | 49 | 50 | 2 | 3 | 4 | 5 | 6 | 7 | 8 | 9 | 23 | 24 | 25 | 26 | 27 | 28 | 29 | 30 | 63 | 64 | 65 | 66 | 67 | 68 | 69 | 70 | VDDA | VDDIO | ALT | QEP Select | 28/29 | 35/37 | UART | +5V0 | 32 | BOOT | 1 | 0 | +3V3 | VDD | 40 | 39 | 38 | 37 | 36 | 35 | 34 | 33 | 31 | 80 | 79 | 78 | 77 | 76 | 73 | 72 | 75 | 74 | 71 | 19 | 18 | 17 | 16 | 15 | 14 | 13 | 12 | 11 | 59 | 58 | 57 | 56 | 55 | 54 | 53 | 52 | 51 | GND | 2I | 2B | 2A | 1I | 1B | 1A | CANL | CANH | TCK | TMS | TXD<< | RXD>> | EQEP2 | EQEP1 | CAN | XDS110 Out | LAUNCHXL-F280049C | ${LAYER} | XRSn | +3V3 / TO / J5 | +5V0 / From Boost | +5V0 / TO / J7 | 35/37 / ROUTE | UART / SELECT | 28/29 / ROUTE | CAN / ROUTE | RXCLK | RXD0 | RXD1 | FSI | TXCLK | TXD0 | TXD1
GND: ${LAYER}
Middle Signal: ${LAYER}
PWR: ${LAYER}
GND2: ${LAYER}
M1 Board Outline: ${LAYER}
M2 Board Dimensions: ${LAYER} | Radius 50 mil, 4 corners
M3 3D STEP Top: ${LAYER}
M4 3D STEP Bottom: ${LAYER}
M5 Assembly Top: Place all Shunts (9 total) as described  in Figure 1 of Test Procedure. | Ensure that all switches are placed in the proper direction with default positions as described in Figure 1 of Test Procedure | PLOT NAME = | ${PLOT_FILE_NAME} | BOARD #: | TID #: | GENERATED    : | ${CURRENT_DATE} | REV: | ${PRINT_TIME} | SVN REV: | TEXAS INSTRUMENTS | PCB VIEWED FROM TOP SIDE | ${LAYER} | ${PRJ_NUMBER} | ${TID} | ${PCB_REV} | ${VERSIONCONTROL_REVNUMBER} | ASSEMBLY VARIANT: | COMPONENTS MARKED 'DNP' SHOULD NOT BE POPULATED. | ${VARIANTNAME}
M6 Assembly Bottom: ${LAYER} | TEXAS INSTRUMENTS | ${VERSIONCONTROL_REVNUMBER} | SVN REV: | ${PCB_REV} | ${PRINT_TIME} | REV: | ${CURRENT_DATE} | ${PRJ_NUMBER} | ${TID} | GENERATED    : | BOARD #: | TID #: | ${PLOT_FILE_NAME} | PCB VIEWED FROM BOTTOM SIDE | PLOT NAME = | ${VARIANTNAME} | ASSEMBLY VARIANT: | COMPONENTS MARKED 'DNP' SHOULD NOT BE POPULATED.
M7 LPKF Text Top: ${LAYER}
M8 LPKF Text Bottom: ${LAYER}
M9 Title Sheet: PROJECT TITLE: | DESIGNED FOR: | FILE NAME: | ENGINEER: | LAYOUT BY: | ALTIUM DESIGNER VERSION: | or any information contained therein. TI and/or its licensors do not warrant that this design will meet | the specifications, will be suitable for your application or fit for any particular purpose, or will operate in | an implementation. TI and/or its licensors do not warrant that the design is production worthy. You should | Texas Instruments (TI) and/or its licensors do not warrant the accuracy or completeness of this specification | completely validate and test your design implementation to confirm the system functionality for your application. | ${LAYER} | A | B | C | D | 1 | 2 | 3 | 4 | 5 | ${PRJ_TITLE} | ${PRJ_CUSTOMER} | ${PCB_FILE_NAME_NO_PATH} | ${PRJ_ENGINEER} | ${PRINT_SCALE} | ${PCB_LAYOUT} | ${APPLICATION_BUILDNUMBER} | 6
